# Altium PCB XNG_V1PCB.PcbDoc (part 2 of 2)
Units mil, origin at the board's own origin, x right, y up, seen from the top; angles counter-clockwise.
Board outline 5905.51 x 4527.56 mil, 2 copper layers (Top Layer, Bottom Layer); 230 components, 157 nets, 806 pads, 64 vias.
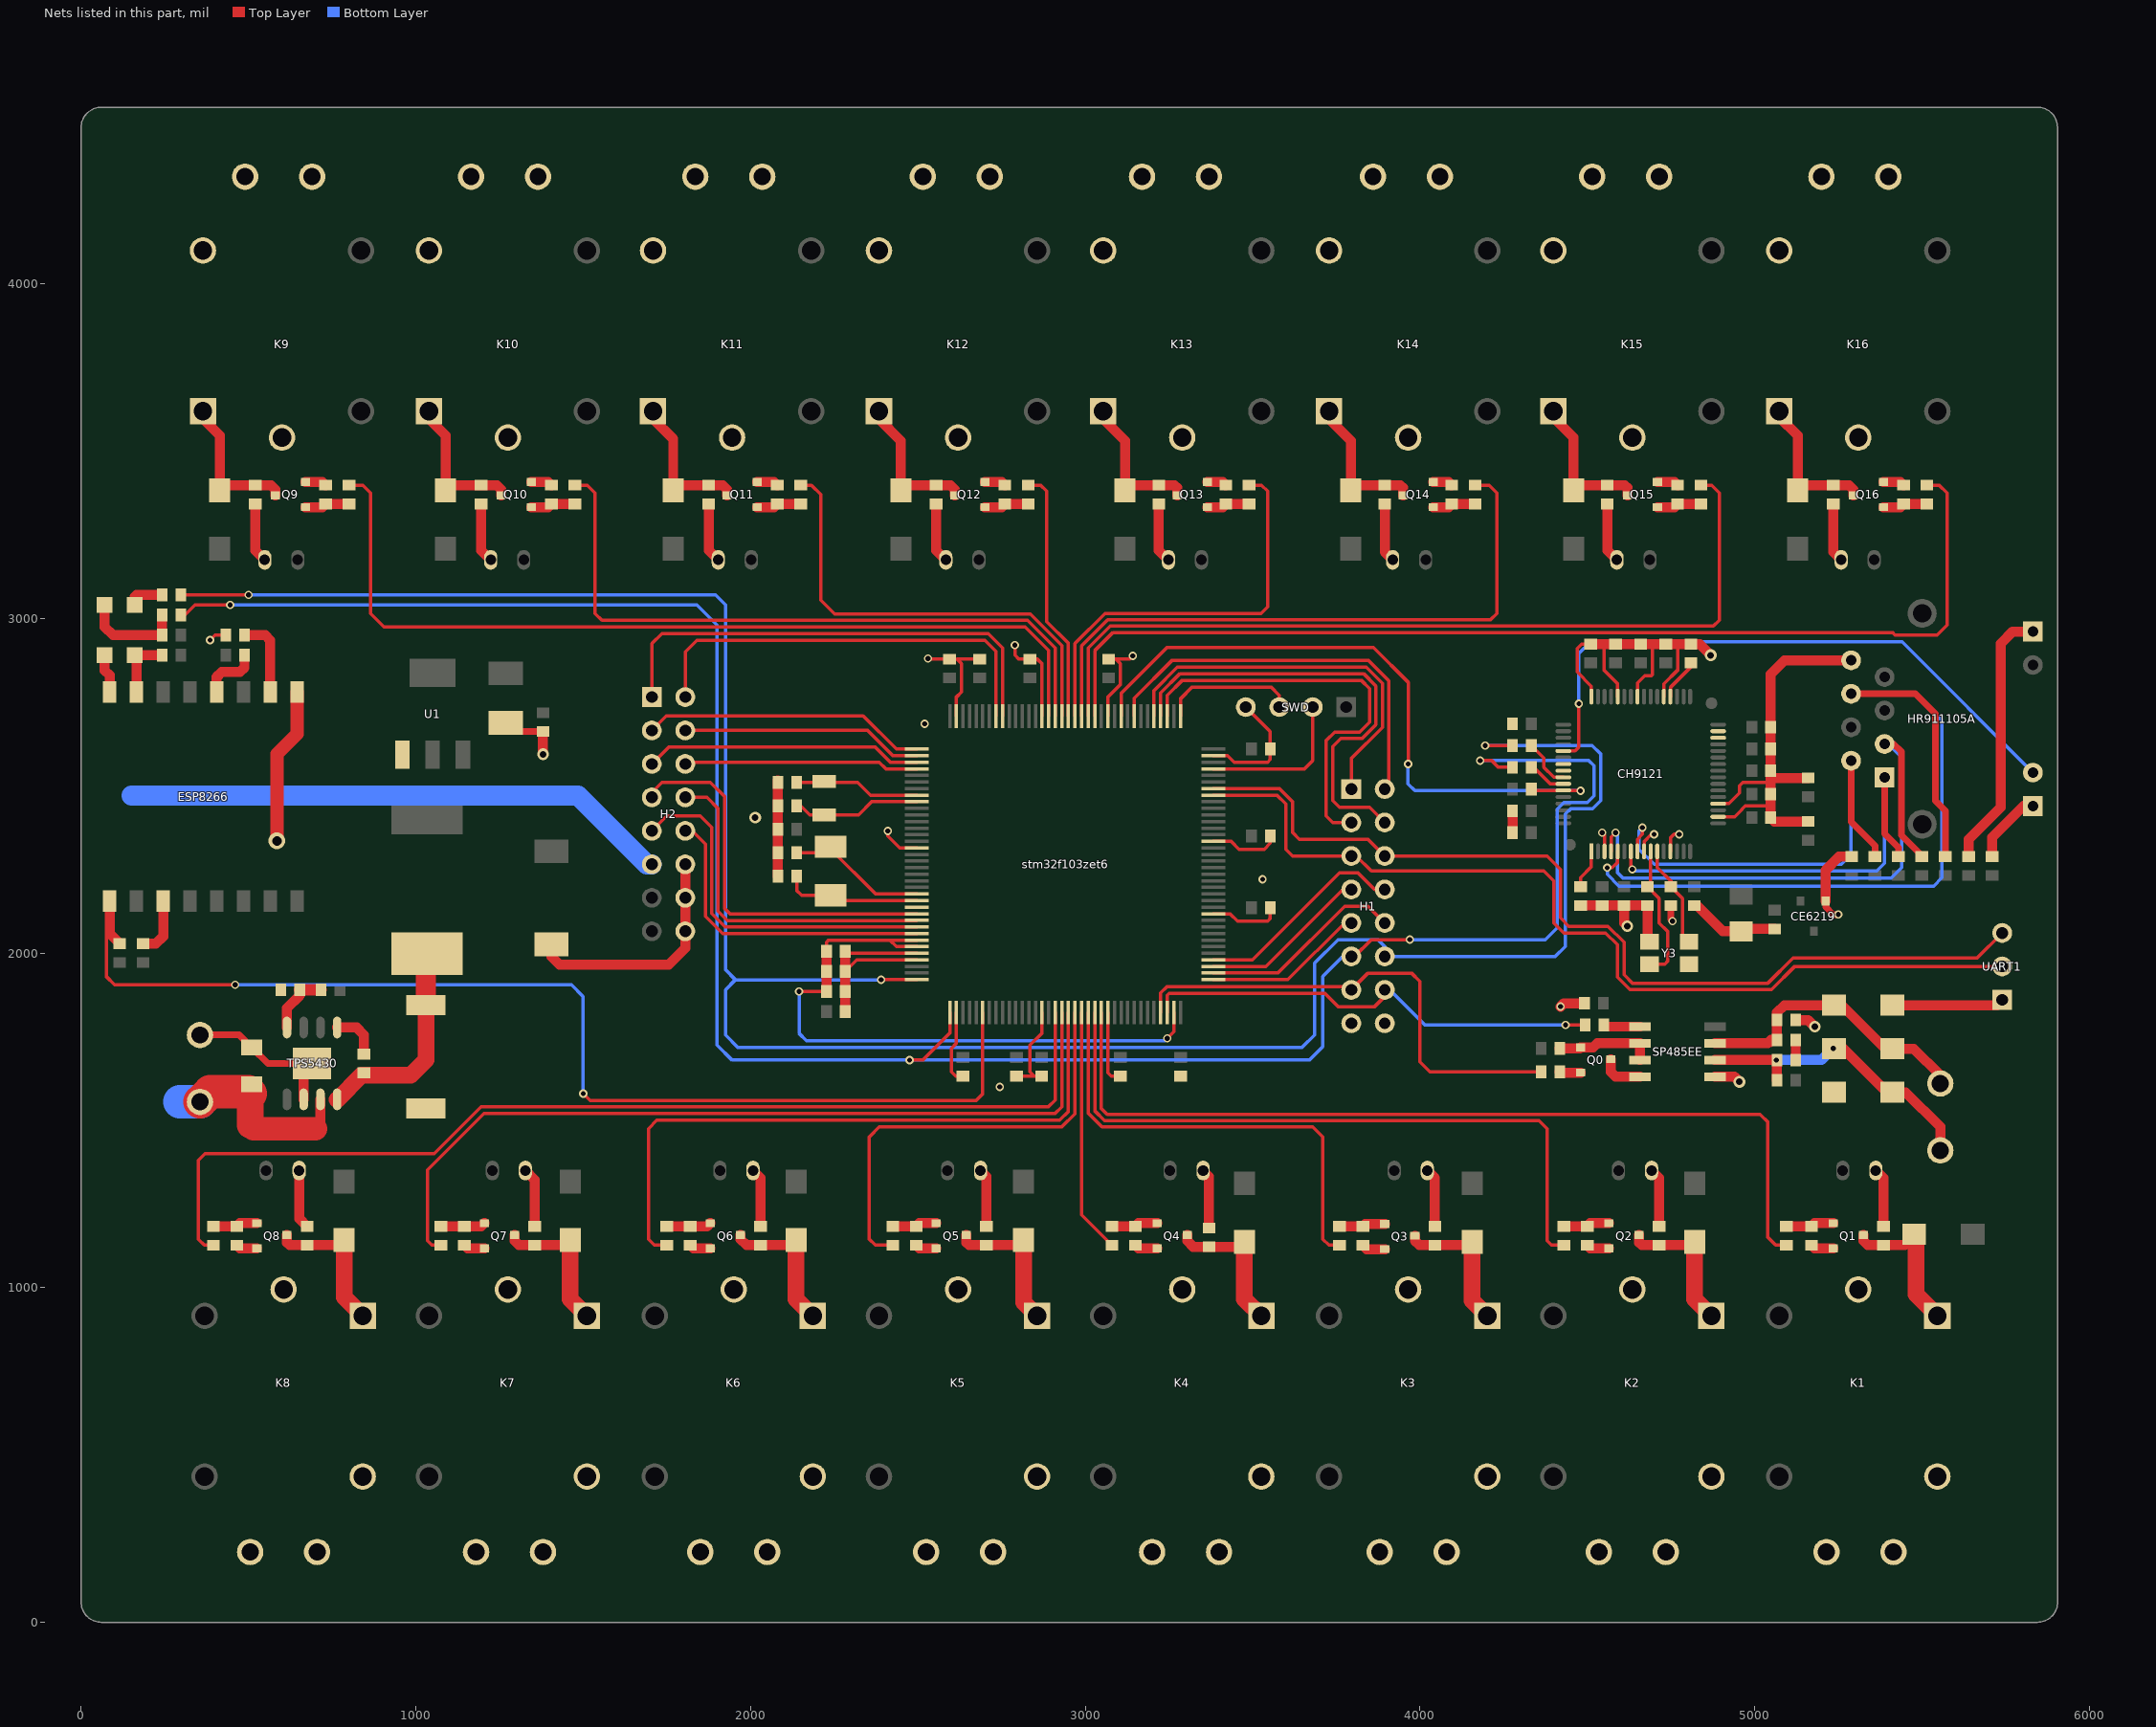
[diagram p2: the nets of this part, all layers, seen from the top]

## Via types
v1: diameter 25, hole 15, Top Layer to Bottom Layer, 45 vias
v2: diameter 35, hole 20, Top Layer to Bottom Layer, 10 vias
v3: diameter 120, hole 120, Top Layer to Bottom Layer, 6 vias
v4: diameter 50, hole 28, Top Layer to Bottom Layer, 1 vias
v5: diameter 35, hole 25, Top Layer to Bottom Layer, 1 vias
v6: diameter 40, hole 20, Top Layer to Bottom Layer, 1 vias

## Nets (pads, with @x,y where several pads share a name; then routed paths per layer and width w, separated by ;. In a path a pad name is that pad's centre, name@x,y a point inside that pad or via, vN(x,y) a via of type N, cw(c..) or ccw(c..) an arc to the next point about the centre after c; other vN are vias at no path point) (continued)
GND: C1.2 C3.2 C4.2 C5.1 C6.1 C13.2 C14.2 C15.1 C16.1 C17.1 C18.2 C19.2 C20.2 C21.2 C22.2 C23.2 C24.2 C25.2 C26.2 C27.2 C28.2 C29.2 C30.2 C31.2 C32.2 C33.2 C34.2 C35.2 C36.2 C37.2 C38.2 C39.2 C40.2 C41.2 C42.2 C43.2 C44.2 C45.2 C46.2 C47.2 C48.2 C49.2 C50.2 C51.1 C52.2 C53.2 CE6219.1 CH9121.3 CH9121.9 CH9121.13 CH9121.18 CH9121.20 CH9121.37 CH9121.41 CH9121.44 CH9121.48 D1.1 D2.2 D4.1 ESP8266.9 H1.8 H1.16 H2.14 H2.15 H2.16 HR911105A.8 P1.1 P2.1 P3.1 P4.1 P5.1 P6.1 P7.1 P8.1 P9.1 P10.1 P11.1 P12.1 P13.1 P14.1 P15.1 P16.1 Q0.3 Q1.2 Q2.2 Q3.2 Q4.2 Q5.2 Q6.2 Q7.2 Q8.2 Q9.2 Q10.2 Q11.2 Q12.2 Q13.2 Q14.2 Q15.2 Q16.2 R2.1 R6.1 R11.2 R12.2 R23.2 R31.2 R34.2 R37.2 R40.2 R43.2 R46.2 R49.2 R52.2 R55.2 R58.2 R61.2 R64.2 R67.2 R70.2 R73.2 R76.2 R79.2 SP485EE.4 SP485EE.5 stm32f103zet6.16 stm32f103zet6.30 stm32f103zet6.31 stm32f103zet6.38 stm32f103zet6.51 stm32f103zet6.61 stm32f103zet6.71 stm32f103zet6.83 stm32f103zet6.94 stm32f103zet6.107 stm32f103zet6.120 stm32f103zet6.130 stm32f103zet6.143 SWD.4 TPS5430.6 TPS5430.9 U1.1 UART1.1 Y3.3 Y3.4 电源.1 | length 11955
  Top Layer w10: v1(385,2935) 400,2950 R31.2@432,2950 ; v1(2145,1885) C18.2@2227,1885 ; C19.2@2227,2005 2227,2032 2233.62,2038.62 2416.38,2038.62 ; v1(2410,2365) 2410,2350 2445.79,2314.21 stm32f103zet6.16@2497.09,2314.21 ; stm32f103zet6.31@2497.09,2018.94 2436.06,2018.94 2416.38,2038.62 ; stm32f103zet6.30@2497.09,2038.62 2416.38,2038.62 ; v1(2530,2880) 2532,2878 C20.2@2595,2878 ; stm32f103zet6.38@2615.2,1822.09 2615.2,1730.2 2600,1715 2600,1645 2613,1632 C29.2@2635,1632 ; stm32f103zet6.143@2615.2,2707.91 2615.2,2765.2 2630,2780 2630,2865 2617,2878 R11.2@2685,2878 ; v1(2790,2920) 2790,2890 2802,2878 C21.2@2835,2878 2857,2878 2871.1,2863.9 stm32f103zet6.130@2871.1,2707.91 ; R12.2@2795,1632 2848,1632 ; C28.2@2870,1632 2848,1632 ; stm32f103zet6.51@2871.1,1822.09 2871.1,1761.1 2835,1725 2835,1645 2848,1632 ; stm32f103zet6.61@3067.95,1822.09 3067.95,1642.05 3078,1632 C27.2@3105,1632 ; stm32f103zet6.120@3067.95,2707.91 3067.95,2765.15 3105,2802.2 3105,2865 3092,2878 ; C22.2@3070,2878 3092,2878 ; v1(3142,2888) 3132,2878 3092,2878 ; v1(3245,1745) 3264.8,1764.8 stm32f103zet6.71@3264.8,1822.09 ; stm32f103zet6.83@3382.91,2117.36 3432.64,2117.36 3455,2095 3545,2095 3553,2103 C25.2@3553,2135 ; stm32f103zet6.94@3382.91,2333.9 3436.1,2333.9 3460,2310 3535,2310 3553,2328 C24.2@3553,2350 ; stm32f103zet6.107@3382.91,2589.8 3425.2,2589.8 3445,2570 3545,2570 3553,2578 C23.2@3553,2610 3553,2662 SWD.4@3480,2735 ; C34.2@4510,2923 4483,2923 4470,2910 4470,2840 4512.36,2797.64 CH9121.48@4512.36,2766.38 ; v1(4545,2360) 4551.73,2353.27 CH9121.3@4551.73,2303.62 ; 4550,2923 4550,2845 4591.1,2803.9 CH9121.44@4591.1,2766.38 ; CH9121.41@4650.16,2766.38 4650.16,2807.03 4672.13,2829 4692.13,2829 4695,2831.87 4695,2920 ; CH9121.9@4669.84,2303.62 4669.84,2332.97 4691.87,2355 v1(4700,2355) ; Y3.4@4680,2039.41 Y3.4@4685.94,2033.46 ; CH9121.37@4728.9,2766.38 4728.9,2803.9 4770,2845 4770,2923 ; CH9121.13@4748.58,2303.62 4748.58,2343.58 4760,2355 v1(4775,2355) ; v1@4750,2100 v1(4755,2095) ; CH9121.18@4891.38,2407.05 4940.18,2407.05 4962,2428.87 4962,2429.8 4972.2,2440 5048,2440 ; CH9121.20@4891.38,2446.42 4923.29,2446.42 4955,2478.13 4955,2500 4965,2510 5048,2510
  Top Layer w20: 电源.1@355,1755 472.5,1755 C1.2@510,1717.5 557.5,1670 TPS5430.9@690,1670 TPS5430.9@665,1645 ; C4.2@1269,2687.89 1294.89,2662 C5.1@1380,2662 ; v1@4750,2100 C53.2@4750,2142 ; CE6219.1@5212.5,2155 5212.5,2137.5 5235,2115 v1(5250,2115)
  Top Layer w30: R55.2@465,1127 474.5,1117.5 Q8.2@525,1117.5 ; TPS5430.6@665,1562.64 TPS5430.9@665,1645 ; Q9.2@670,3407.5 720.5,3407.5 R58.2@730,3398 ; R52.2@1145,1127 1154.5,1117.5 Q7.2@1205,1117.5 ; Q10.2@1345,3407.5 1395.5,3407.5 R61.2@1405,3398 ; v2(1380,2594) C5.1@1380,2662 ; C3.2@1405,2025.89 1405,1990 1430,1965 1755,1965 1805,2015 H2.16@1805,2065 H2.15@1805,2165 H2.14@1805,2265 ; R49.2@1820,1127 1829.5,1117.5 Q6.2@1880,1117.5 ; Q11.2@2020,3407.5 2070.5,3407.5 R64.2@2080,3398 ; C16.1@2082,2230 C15.1@2082,2300 C30.2@2082,2370 C14.2@2082,2440 C13.2@2082,2510 C13.2@2082,2515 ; C18.2@2227,1885 C17.1@2227,1945 C19.2@2227,2005 ; R46.2@2495,1127 2504.5,1117.5 Q5.2@2555,1117.5 ; Q12.2@2700,3407.5 2750.5,3407.5 R67.2@2760,3398 ; R43.2@3150,1127 3159.5,1117.5 Q4.2@3215,1117.5 ; Q13.2@3365,3407.5 3410.5,3407.5 R70.2@3420,3398 ; R40.2@3830,1127 3842,1115 Q3.2@3895,1115 ; Q14.2@4040,3407.5 4085.5,3407.5 R73.2@4095,3398 ; C44.2@4277,2360 C37.2@4277,2425 ; v1(4420,1840) 4430,1850 C6.1@4492,1850 ; R23.2@4480,2142 C38.2@4545,2142 C43.2@4610,2142 ; R37.2@4500,1127 4509.5,1117.5 Q2.2@4565,1117.5 ; C34.2@4510,2923 4550,2923 C46.2@4585,2923 C35.2@4660,2923 C36.2@4735,2923 4770,2923 C51.1@4810,2923 4836,2923 v2(4869,2890) ; Q0.3@4570,1682.5 4570,1645 4585,1630 SP485EE.4@4657.8,1630 ; v2(4620,2080) 4610,2090 C43.2@4610,2142 ; Y3.4@4680,2039.41 C52.2@4680,2142 C43.2@4610,2142 ; Q15.2@4710,3407.5 4760.5,3407.5 R76.2@4770,3398 ; C39.2@4820,2142 4828,2142 4905,2065 C32.2@4960,2065 4967,2072 C33.2@5060,2072 ; SP485EE.5@4882.2,1630 4940,1630 v2(4955,1615) ; R6.1@5123,1800 5160,1800 v2(5180,1780) ; C50.2@5160,2393 5060,2393 C40.2@5048,2405 5048,2440 C47.2@5048,2475 5048,2510 C41.2@5048,2535 ; C49.2@5160,2523 5060,2523 C41.2@5048,2535 ; R34.2@5170,1127 5179.5,1117.5 Q1.2@5235,1117.5 ; CE6219.1@5212.5,2155 5212.5,2247.5 5253,2288 C31.2@5290,2288 ; HR911105A.8@5288.5,2874.8 5089.8,2874.8 5048,2833 C42.2@5048,2675 C48.2@5048,2610 C41.2@5048,2545 C41.2@5048,2535 ; Q16.2@5385,3407.5 5435.5,3407.5 R79.2@5445,3398 ; D2.2@5412,1844 5724,1844 UART1.1@5740,1860
  Top Layer w40: v4(585,2335) 585,2595 645,2655 ESP8266.9@645,2780
  Bottom Layer w10: v1@2145,1890 v1(2145,1885) 2145,1760 2167.5,1737.5 3237.5,1737.5 v1(3245,1745)
  other v1: 2745,1600 3530,2220 2520,2685
  other v2: 2014,2405
I2C1_SCL: H2.1 stm32f103zet6.136 | length 1442.3
  Top Layer w10: H2.1@1705,2765 1705,2925 1735,2955 2710,2955 2752.99,2912.01 stm32f103zet6.136@2752.99,2707.91
I2C1_SDA: H2.9 stm32f103zet6.137 | length 1285.4
  Top Layer w10: H2.9@1805,2765 1805,2900 1840,2935 2700,2935 2733.31,2901.69 stm32f103zet6.137@2733.31,2707.91
IO0: ESP8266.12 R30.1 | length 176.6
  Top Layer w30: ESP8266.12@405,2780 405,2825 420,2840 475,2840 488,2853 R30.1@488,2890
IO15: ESP8266.10 R31.1 | length 238.2
  Top Layer w30: R31.1@488,2950 550,2950 565,2935 ESP8266.10@565,2780
K1: R33.2 stm32f103zet6.60 | length 2704.6
  Top Layer w10: stm32f103zet6.60@3048.27,1822.09 3048.27,1535.47 3065.74,1518 5017,1518 5040,1495 5040,1150 5063,1127 R33.2@5095,1127
K2: R36.2 stm32f103zet6.59 | length 2057.7
  Top Layer w10: stm32f103zet6.59@3028.58,1822.09 3028.58,1528.29 3057.87,1499 4356,1499 4380,1475 4380,1140 4393,1127 R36.2@4430,1127
K3: R39.2 stm32f103zet6.58 | length 1394
  Top Layer w10: stm32f103zet6.58@3008.9,1822.09 3008.9,1521.1 3050,1480 3680,1480 3710,1450 3710,1145 3728,1127 R39.2@3760,1127
K4: R42.2 stm32f103zet6.57 | length 732.8
  Top Layer w10: stm32f103zet6.57@2989.21,1822.09 2989.21,1217.57 3079.79,1127 R42.2@3080,1127
K5: R45.2 stm32f103zet6.56 | length 1328.3
  Top Layer w10: R45.2@2425,1127 2373,1127 2355,1145 2355,1450 2385,1480 2930,1480 2969.53,1519.53 stm32f103zet6.56@2969.53,1822.09
K6: R48.2 stm32f103zet6.55 | length 1964.1
  Top Layer w10: R48.2@1750,1127 1713,1127 1695,1145 1695,1475 1720,1500 2923.13,1500 2949.84,1526.71 stm32f103zet6.55@2949.84,1822.09
K7: R51.2 stm32f103zet6.54 | length 2512.2
  Top Layer w10: R51.2@1075,1127 1048,1127 1035,1140 1035,1351.72 1203.28,1520 2910,1520 2930.16,1540.16 stm32f103zet6.54@2930.16,1822.09
K8: R54.2 stm32f103zet6.53 | length 3184.3
  Top Layer w10: R54.2@395,1127 368,1127 350,1145 350,1380 370,1400 1055,1400 1195,1540 2890,1540 2910.47,1560.47 stm32f103zet6.53@2910.47,1822.09
K9: R57.2 stm32f103zet6.129 | length 2702.5
  Top Layer w10: R57.2@800,3398 842,3398 865,3375 865,3015 905,2975 2820,2975 2890.79,2904.21 stm32f103zet6.129@2890.79,2707.91
K10: R60.2 stm32f103zet6.128 | length 2051.4
  Top Layer w10: R60.2@1475,3398 1512,3398 1535,3375 1535,3015 1556,2994 2827.87,2994 2910.47,2911.4 stm32f103zet6.128@2910.47,2707.91
K11: R63.2 stm32f103zet6.127 | length 1373.9
  Top Layer w10: R63.2@2150,3398 2182,3398 2210,3370 2210,3055 2252,3013 2835.74,3013 2930.16,2918.58 stm32f103zet6.127@2930.16,2707.91
K12: R66.2 stm32f103zet6.126 | length 761.4
  Top Layer w10: R66.2@2830,3398 2867,3398 2885,3380 2885,2990.61 2949.84,2925.77 stm32f103zet6.126@2949.84,2707.91
K13: R69.2 stm32f103zet6.125 | length 1245.7
  Top Layer w10: stm32f103zet6.125@2969.53,2707.91 2969.53,2925.14 3059.39,3015 3525,3015 3545,3035 3545,3380 3527,3398 R69.2@3490,3398
K14: R72.2 stm32f103zet6.124 | length 1925.6
  Top Layer w10: stm32f103zet6.124@2989.21,2707.91 2989.21,2917.95 3067.26,2996 4211,2996 4230,3015 4230,3375 4207,3398 R72.2@4165,3398
K15: R75.2 stm32f103zet6.123 | length 2568.4
  Top Layer w10: stm32f103zet6.123@3008.9,2707.91 3009.58,2708.6 3009.58,2911.45 3075.13,2977 4877,2977 4895,2995 4895,3375 4872,3398 R75.2@4840,3398
K16: R78.2 stm32f103zet6.122 | length 3244.9
  Top Layer w10: stm32f103zet6.122@3028.58,2707.91 3028.58,2903.58 3083,2958 5412,2958 5420,2950 5545,2950 5575,2980 5575,3375 5552,3398 R78.2@5515,3398
LINK: CH9121.53 HR911105A.10 | length 1863.9
  Top Layer w10: CH9121.53@4428.62,2603.9 4463.9,2603.9 4475,2615 v1(4475,2745)
  Bottom Layer w10: v1(4475,2745) 4475,2895 4510,2930 5440.67,2930 HR911105A.10@5831.5,2539.17
MCU_RX1: H1.11 stm32f103zet6.102 UART1.3 | length 2855.5
  Top Layer w10: stm32f103zet6.102@3382.91,2491.38 3580.49,2491.38 3619,2452.87 3619,2361 3640,2340 3845,2340 H1.11@3895,2290 4380,2290 4420,2250 4420,2105 4445,2080 4561.87,2080 4610,2031.87 4610,1935 4635,1910 5040,1910 5115,1985 5665,1985 UART1.3@5740,2060
MCU_RX2: H1.6 R21.1 R28.2 stm32f103zet6.37 | length 6948.1
  Top Layer w10: R28.2@298,3010 310,3010 340,3040 v1(445,3040) ; v1(2475,1680) 2515,1680 2595.51,1760.51 stm32f103zet6.37@2595.51,1822.09 ; H1.6@3795,1990 3805,1990 3855,2040 v1(3970,2040) ; v1(4180,2575) 4215,2575 4235,2555 R21.1@4277,2555
  Bottom Layer w10: v1(445,3040) 1840,3040 1900,2980 1900,1725 1945,1680 v1(2475,1680) 3670,1680 3710,1720 3710,1930 3770,1990 H1.6@3795,1990 ; v1(3970,2040) 4375,2040 4410,2075 4410,2430 4430,2450 4500,2450 4520,2470 4520,2560 4505,2575 v1(4180,2575)
MCU_RX3: H1.15 R5.1 stm32f103zet6.70 | length 1395.3
  Top Layer w10: stm32f103zet6.70@3245.12,1822.09 3245.12,1873.25 3251.87,1880 3715,1880 3755,1840 3865,1840 3895,1870 H1.15@3895,1890 ; v1(4435,1785) R5.1@4494,1785
  Bottom Layer w10: H1.15@3895,1890 3910,1890 4015,1785 v1(4435,1785)
MCU_RX4: H1.10 stm32f103zet6.112 | length 1367.9
  Top Layer w10: stm32f103zet6.112@3225.43,2707.91 3225.43,2777.3 3283.13,2835 3831.87,2835 3869,2797.87 3869,2682.13 3827.87,2641 3764,2641 3740,2617 3740,2455 3760,2435 3850,2435 H1.10@3895,2390
MCU_RX5: H1.9 stm32f103zet6.116 | length 1215
  Top Layer w10: stm32f103zet6.116@3146.69,2707.91 3146.69,2761.69 3260,2875 3845.61,2875 3907,2813.61 3907,2502 H1.9@3895,2490
MCU_TX1: H1.3 stm32f103zet6.101 UART1.2 | length 2835.2
  Top Layer w10: stm32f103zet6.101@3382.91,2471.69 3573.31,2471.69 3600,2445 3600,2310 3620,2290 H1.3@3795,2290 3810,2290 3855,2245 4370,2245 4400,2215 4400,2090 4430,2060 4555,2060 4590,2025 4590,1928.13 4627.13,1891 5051,1891 5120,1960 UART1.2@5740,1960
MCU_TX2: H1.14 R20.1 R29.2 stm32f103zet6.36 | length 7420.4
  Top Layer w10: R29.2@298,3070 v1(500,3070) ; v1(2390,1920) 2390.51,1920.51 stm32f103zet6.36@2497.09,1920.51 ; v1(4195,2620) R20.1@4277,2620
  Bottom Layer w10: v1(500,3070) 1895,3070 1925,3040 1925,1950 1955,1920 ; v1(2390,1920) 1955,1920 ; v1(4195,2620) 4515,2620 4540,2595 4540,2455 4516,2431 4451,2431 4435,2415 4435,2020 4405,1990 H1.14@3895,1990 3895,2020 3875,2040 3755,2040 3685,1970 3685,1755 3648.5,1718.5 1961.5,1718.5 1925,1755 1925,1890 1955,1920
MCU_TX3: H1.7 R3.1 stm32f103zet6.69 | length 1490.7
  Top Layer w10: stm32f103zet6.69@3225.43,1822.09 3225.43,1880.43 3245,1900 3785,1900 H1.7@3795,1890 3845,1940 3975,1940 4000,1915 4000,1675 4030,1645 R3.1@4362,1645
MCU_TX4: H1.2 stm32f103zet6.111 | length 1257.1
  Top Layer w10: stm32f103zet6.111@3245.12,2707.91 3245.12,2770.12 3290,2815 3825,2815 3850,2790 3850,2690 3820,2660 3745,2660 3720,2635 3720,2410 3740,2390 H1.2@3795,2390
MCU_TX5: H1.1 stm32f103zet6.113 | length 1161.9
  Top Layer w10: stm32f103zet6.113@3205.75,2707.91 3205.75,2784.49 3275.26,2854 3839.74,2854 3888,2805.74 3888,2674.26 3795,2581.26 H1.1@3795,2490
NetC2_1: C2.1 TPS5430.1 | length 146.3
  Top Layer w30: TPS5430.1@765,1777.36 822.64,1777.36 845,1755 C2.1@845,1698
NetC2_2: C2.2 D1.2 L1.1 TPS5430.8 | length 631.6
  Top Layer w50: TPS5430.8@765,1562.64 765.74,1562.64 838.1,1635 985,1635 1030,1680 D1.2@1030,1844.5
  Top Layer w60: D1.2@1030,1844.5 L1.1@1030,1998
NetC13_1: C13.1 stm32f103zet6.8 Y2.1 | length 375
  Top Layer w10: C13.1@2138,2510 2320,2510 2358.31,2471.69 stm32f103zet6.8@2497.09,2471.69
NetC14_1: C14.1 stm32f103zet6.9 Y2.2 | length 386.8
  Top Layer w10: C14.1@2138,2440 2150,2440 2177.5,2412.5 Y2.2@2220,2412.5 2322.5,2412.5 2362.01,2452.01 stm32f103zet6.9@2497.09,2452.01
NetC15_2: C15.2 stm32f103zet6.23 Y1.1 | length 429.2
  Top Layer w10: C15.2@2138,2300 2222.5,2300 Y1.1@2240,2317.5 2240,2310 2373.58,2176.42 stm32f103zet6.23@2497.09,2176.42
NetC16_2: C16.2 stm32f103zet6.24 Y1.2 | length 414.6
  Top Layer w10: C16.2@2138,2230 2138,2187 2152.5,2172.5 Y1.2@2240,2172.5 2255.77,2156.73 stm32f103zet6.24@2497.09,2156.73
NetC17_2: C17.2 C18.1 C19.1 R13.1 stm32f103zet6.32 stm32f103zet6.33 | length 624.9
  Top Layer w10: C17.2@2283,1945 2317.57,1979.57 stm32f103zet6.33@2497.09,1979.57 ; C19.1@2283,2005 2288.75,1999.25 stm32f103zet6.32@2497.09,1999.25
  Top Layer w30: R13.1@2283,1825 C18.1@2283,1885 C17.2@2283,1945 C19.1@2283,2005
NetC52_1: C52.1 CH9121.10 Y3.1 | length 412.9
  Top Layer w10: C52.1@4680,2198 4715,2163 4715,2090 4740,2065 4740,1975 4731.54,1966.54 Y3.1@4685.94,1966.54 ; C52.1@4685,2198 4689.53,2202.53 CH9121.10@4689.53,2303.62
NetC53_1: C53.1 CH9121.11 Y3.2 | length 309.4
  Top Layer w10: CH9121.11@4709.21,2303.62 4709.21,2255.79 4750,2215 C53.1@4750,2198 4785,2163 4785,2052.52 Y3.2@4804.06,2033.46
NetCH9121_1: CH9121.1 R23.1 | length 123.2
  Top Layer w10: R23.1@4490,2198 4480,2208 4480,2225 4512.36,2257.36 CH9121.1@4512.36,2303.62
NetCH9121_57: CH9121.57 R20.2 | length 151.3
  Top Layer w10: R20.2@4333,2620 4370,2583 4370,2555 4399.84,2525.16 CH9121.57@4428.62,2525.16
NetCH9121_58: CH9121.58 R21.2 | length 116.1
  Top Layer w10: R21.2@4333,2555 4340,2555 4389.53,2505.47 CH9121.58@4428.62,2505.47
NetD2_1: D2.1 D3.2 P0.2 R6.2 R8.2 SP485EE.7 | length 879.6
  Top Layer w30: SP485EE.7@4882.2,1730 5040,1730 5050,1740 R8.2@5067,1740 R6.2@5067,1800 5067,1822 5089,1844 D2.1@5237,1844 5261,1844 5391,1714 D3.2@5412,1714 5476,1714 5555,1635 P0.2@5555,1610
NetD3_1: D3.1 D4.2 P0.1 R7.1 R9.1 SP485EE.6 | length 914.2
  Top Layer w30: SP485EE.6@4882.2,1680 v1(5065,1680) R9.1@5067,1680 R7.1@5067,1620 ; D3.1@5237,1714 5266,1714 5396,1584 D4.2@5412,1584 5451,1584 5555,1480 P0.1@5555,1410
  Bottom Layer w30: v1(5065,1680) 5200,1680 v1(5235,1715)
NetD5_1: D5.1 R27.1 R28.1 | length 307.4
  Top Layer w30: D5.1@70,3040 70,2975 95,2950 R27.1@242,2950 R28.1@242,3010
NetD5_2: D5.2 ESP8266.16 | length 116.2
  Top Layer w30: D5.2@70,2890 70,2845 85,2830 ESP8266.16@85,2780
NetD6_1: D6.1 ESP8266.15 R26.1 | length 194.1
  Top Layer w30: ESP8266.15@165,2780 165,2885 D6.1@160,2890 R26.1@242,2890
NetD6_2: D6.2 R29.1 | length 109.1
  Top Layer w30: D6.2@160,3040 160,3065 165,3070 R29.1@242,3070
NetD7_1: D7.1 K1.1 Q1.3 R32.1 | length 448.8
  Top Layer w30: Q1.3@5325,1157.5 5325,1140 5338,1127 R32.1@5385,1127 5448,1127 5470,1149 D7.1@5482,1149
  Top Layer w50: D7.1@5482,1149 5482,980.01 K1.1@5546.22,915.79
NetD8_1: D8.1 K2.1 Q2.3 R35.1 | length 438
  Top Layer w30: Q2.3@4655,1157.5 4655,1135 4663,1127 R35.1@4715,1127 4811,1127 D8.1@4821,1137
  Top Layer w50: D8.1@4821,1137 4821,966.01 K2.1@4871.22,915.79
NetD9_1: D9.1 K3.1 Q3.3 R38.1 | length 435.5
  Top Layer w30: Q3.3@3985,1155 3985,1140 3998,1127 R38.1@4045,1127 4146,1127 D9.1@4156,1137
  Top Layer w50: D9.1@4156,1137 4156,961.01 K3.1@4201.22,915.79
NetD10_1: D10.1 K4.1 Q4.3 R41.1 | length 444.2
  Top Layer w30: Q4.3@3305,1157.5 3305,1140 3323,1122 R41.1@3370,1122 3461,1122 D10.1@3476,1137
  Top Layer w50: D10.1@3476,1137 3476,966.01 K4.1@3526.22,915.79
NetD11_1: D11.1 K5.1 Q5.3 R44.1 | length 445.9
  Top Layer w30: Q5.3@2645,1157.5 2645,1135 2653,1127 R44.1@2705,1127 2801,1127 D11.1@2816,1142
  Top Layer w50: D11.1@2816,1142 2816,956.01 K5.1@2856.22,915.79
NetD12_1: D12.1 K6.1 Q6.3 R47.1 | length 439.2
  Top Layer w30: Q6.3@1970,1157.5 1970,1145 1988,1127 R47.1@2030,1127 2121,1127 D12.1@2136,1142
  Top Layer w50: D12.1@2136,1142 2136,966.01 K6.1@2186.22,915.79
NetD13_1: D13.1 K7.1 Q7.3 R50.1 | length 442.1
  Top Layer w30: Q7.3@1295,1157.5 1295,1140 1308,1127 R50.1@1355,1127 1446,1127 D13.1@1461,1142
  Top Layer w50: D13.1@1461,1142 1461,966.01 K7.1@1511.22,915.79
NetD14_1: D14.1 K8.1 Q8.3 R53.1 | length 452.1
  Top Layer w30: Q8.3@615,1157.5 615,1135 623,1127 R53.1@675,1127 771,1127 D14.1@786,1142
  Top Layer w50: D14.1@786,1142 786,971.01 K8.1@841.22,915.79
NetD15_1: D15.1 K9.1 Q9.3 R56.1 | length 452.1
  Top Layer w30: K9.1@363.78,3619.21 363.78,3596.22 414,3546 D15.1@414,3383 429,3398 R56.1@520,3398 567,3398 580,3385 Q9.3@580,3367.5
NetD16_1: D16.1 K10.1 Q10.3 R59.1 | length 452.1
  Top Layer w30: K10.1@1038.78,3619.21 1038.78,3596.22 1089,3546 D16.1@1089,3383 1104,3398 R59.1@1195,3398 1242,3398 1255,3385 Q10.3@1255,3367.5
NetD17_1: D17.1 K11.1 Q11.3 R62.1 | length 451.3
  Top Layer w30: K11.1@1708.78,3619.21 1708.78,3596.22 1769,3536 D17.1@1769,3383 1784,3398 R62.1@1875,3398 1917,3398 1930,3385 Q11.3@1930,3367.5
NetD18_1: D18.1 K12.1 Q12.3 R65.1 | length 453.3
  Top Layer w30: K12.1@2383.78,3619.21 2383.78,3596.22 2449,3531 D18.1@2449,3383 2464,3398 R65.1@2555,3398 2597,3398 2610,3385 Q12.3@2610,3367.5
NetD19_1: D19.1 K13.1 Q13.3 R68.1 | length 451.3
  Top Layer w30: K13.1@3053.78,3619.21 3053.78,3596.22 3119,3531 D19.1@3119,3383 3134,3398 R68.1@3220,3398 3267,3398 3275,3390 Q13.3@3275,3367.5
NetD20_1: D20.1 K14.1 Q14.3 R71.1 | length 451.3
  Top Layer w30: K14.1@3728.78,3619.21 3728.78,3596.22 3794,3531 D20.1@3794,3383 3809,3398 R71.1@3895,3398 3942,3398 3950,3390 Q14.3@3950,3367.5
NetD21_1: D21.1 K15.1 Q15.3 R74.1 | length 454.2
  Top Layer w30: K15.1@4398.78,3619.21 4398.78,3601.22 4459,3541 D21.1@4459,3383 4474,3398 R74.1@4560,3398 4612,3398 4620,3390 Q15.3@4620,3367.5
NetD22_1: D22.1 K16.1 Q16.3 R77.1 | length 454.2
  Top Layer w30: K16.1@5073.78,3619.21 5073.78,3601.22 5129,3546 D22.1@5129,3383 5144,3398 R77.1@5235,3398 5282,3398 5295,3385 Q16.3@5295,3367.5
NetD23_2: D23.2 R32.2 | length 176.4
  Top Layer w30: D23.2@5362.37,1350 5385,1327.37 R32.2@5385,1183
NetD24_2: D24.2 R35.2 | length 176.4
  Top Layer w30: D24.2@4692.37,1350 4715,1327.37 R35.2@4715,1183
NetD25_2: D25.2 R38.2 | length 176.4
  Top Layer w30: D25.2@4022.37,1350 4045,1327.37 R38.2@4045,1183
NetD26_2: D26.2 R41.2 | length 179.3
  Top Layer w30: D26.2@3352.37,1350 3370,1332.37 R41.2@3370,1178
NetD27_2: D27.2 R44.2 | length 174.3
  Top Layer w30: D27.2@2687.37,1350 2705,1332.37 R44.2@2705,1183
NetD28_2: D28.2 R47.2 | length 176.4
  Top Layer w30: D28.2@2007.37,1350 2030,1327.37 R47.2@2030,1183
NetD29_2: D29.2 R50.2 | length 178.4
  Top Layer w30: D29.2@1327.37,1350 1355,1322.37 R50.2@1355,1183
NetD30_2: D30.2 R53.2 | length 176.4
  Top Layer w30: D30.2@652.37,1350 652.37,1205.63 R53.2@675,1183
NetD31_2: D31.2 R56.2 | length 178.9
  Top Layer w30: R56.2@520,3342 520,3203.63 D31.2@548.63,3175
NetD32_2: D32.2 R59.2 | length 178.9
  Top Layer w30: R59.2@1195,3342 1195,3203.63 D32.2@1223.63,3175
NetD33_2: D33.2 R62.2 | length 178.9
  Top Layer w30: R62.2@1875,3342 1875,3203.63 D33.2@1903.63,3175
NetD34_2: D34.2 R65.2 | length 178.9
  Top Layer w30: R65.2@2555,3342 2555,3203.63 D34.2@2583.63,3175
NetD35_2: D35.2 R68.2 | length 178.9
  Top Layer w30: R68.2@3220,3342 3220,3203.63 D35.2@3248.63,3175
NetD36_2: D36.2 R71.2 | length 176.8
  Top Layer w30: R71.2@3895,3342 3895,3198.63 D36.2@3918.63,3175
NetD37_2: D37.2 R74.2 | length 178.9
  Top Layer w30: R74.2@4560,3342 4560,3203.63 D37.2@4588.63,3175
NetD38_2: D38.2 R77.2 | length 176.8
  Top Layer w30: R77.2@5235,3342 5235,3198.63 D38.2@5258.63,3175
NetESP8266_3: ESP8266.3 R25.2 | length 174.1
  Top Layer w30: R25.2@185,2028 223,2028 245,2050 ESP8266.3@245,2155
NetHR911105A_9: HR911105A.9 R18.2 | length 217.5
  Top Layer w30: R18.2@5710,2288 5710,2345 5804.17,2439.17 HR911105A.9@5831.5,2439.17
NetHR911105A_12: HR911105A.12 R19.2 | length 787.7
  Top Layer w30: R19.2@5640,2288 5640,2340 5735,2435 5735,2925 5770.83,2960.83 HR911105A.12@5831.5,2960.83
NetK1_5: K1.5 P1.2
NetK2_5: K2.5 P2.2
NetK3_5: K3.5 P3.2
NetK4_5: K4.5 P4.2
NetK5_5: K5.5 P5.2
NetK6_5: K6.5 P6.2
NetK7_5: K7.5 P7.2
NetK8_5: K8.5 P8.2
NetK9_5: K9.5 P9.2
NetK10_5: K10.5 P10.2
NetK11_5: K11.5 P11.2
NetK12_5: K12.5 P12.2
NetK13_5: K13.5 P13.2
NetK14_5: K14.5 P14.2
NetK15_5: K15.5 P15.2
NetK16_5: K16.5 P16.2
NetQ0_1: Q0.1 R4.2 SP485EE.2 SP485EE.3 | length 296
  Top Layer w30: R4.2@4418,1715 4477.5,1715 Q0.1@4480,1717.5 4517.5,1717.5 4530,1730 SP485EE.2@4657.8,1730 SP485EE.3@4657.8,1680
NetQ0_2: Q0.2 R3.2 | length 63
  Top Layer w30: R3.2@4418,1645 4420.5,1642.5 Q0.2@4480,1642.5
NetQ1_1: Q1.1 R33.1 R34.1 | length 143.9
  Top Layer w30: R33.1@5095,1183 R34.1@5170,1183 5179.5,1192.5 Q1.1@5235,1192.5
NetQ2_1: Q2.1 R36.1 R37.1 | length 138.9
  Top Layer w30: R36.1@4430,1183 R37.1@4500,1183 4509.5,1192.5 Q2.1@4565,1192.5
NetQ3_1: Q3.1 R39.1 R40.1 | length 137.9
  Top Layer w30: R39.1@3760,1183 R40.1@3830,1183 3837,1190 Q3.1@3895,1190
NetQ4_1: Q4.1 R42.1 R43.1 | length 138.9
  Top Layer w30: R42.1@3080,1183 R43.1@3150,1183 3159.5,1192.5 Q4.1@3215,1192.5
NetQ5_1: Q5.1 R45.1 R46.1 | length 133.9
  Top Layer w30: R45.1@2425,1183 R46.1@2495,1183 2504.5,1192.5 Q5.1@2555,1192.5
NetQ6_1: Q6.1 R48.1 R49.1 | length 133.9
  Top Layer w30: R48.1@1750,1183 R49.1@1820,1183 1870.5,1183 Q6.1@1880,1192.5
NetQ7_1: Q7.1 R51.1 R52.1 | length 133.9
  Top Layer w30: R51.1@1075,1183 R52.1@1145,1183 1195.5,1183 Q7.1@1205,1192.5
NetQ8_1: Q8.1 R54.1 R55.1 | length 133.9
  Top Layer w10: R55.1@465,1183 R55.1@474.5,1192.5
  Top Layer w30: R54.1@395,1183 R55.1@465,1183 ; R55.1@474.5,1192.5 Q8.1@525,1192.5
NetQ9_1: Q9.1 R57.1 R58.1 | length 133.9
  Top Layer w30: Q9.1@670,3332.5 720.5,3332.5 R58.1@730,3342 R57.1@800,3342
NetQ10_1: Q10.1 R60.1 R61.1 | length 133.9
  Top Layer w30: Q10.1@1345,3332.5 1395.5,3332.5 R61.1@1405,3342 R60.1@1475,3342
NetQ11_1: Q11.1 R63.1 R64.1 | length 133.9
  Top Layer w30: Q11.1@2020,3332.5 2070.5,3332.5 R64.1@2080,3342 R63.1@2150,3342
NetQ12_1: Q12.1 R66.1 R67.1 | length 133.9
  Top Layer w30: Q12.1@2700,3332.5 2750.5,3332.5 R67.1@2760,3342 R66.1@2830,3342
NetQ13_1: Q13.1 R69.1 R70.1 | length 128.9
  Top Layer w30: Q13.1@3365,3332.5 3410.5,3332.5 R70.1@3420,3342 R69.1@3490,3342
NetQ14_1: Q14.1 R72.1 R73.1 | length 128.9
  Top Layer w30: Q14.1@4040,3332.5 4085.5,3332.5 R73.1@4095,3342 R72.1@4165,3342
NetQ15_1: Q15.1 R75.1 R76.1 | length 133.9
  Top Layer w30: Q15.1@4710,3332.5 4760.5,3332.5 R76.1@4770,3342 R75.1@4840,3342
NetQ16_1: Q16.1 R78.1 R79.1 | length 133.9
  Top Layer w30: Q16.1@5385,3332.5 5435.5,3332.5 R79.1@5445,3342 R78.1@5515,3342
NetR1_1: R1.1 R2.2 TPS5430.4 | length 192.4
  Top Layer w30: TPS5430.4@615,1777.36 615,1835 653,1873 R2.2@653,1890
  Top Layer w35: R2.2@653,1890 R1.1@717,1890
NetR5_2: R5.2 SP485EE.1 | length 109.9
  Top Layer w30: R5.2@4550,1785 4555,1780 SP485EE.1@4657.8,1780
NetR8_1: R8.1 R9.2 | length 60
  Top Layer w30: R9.2@5123,1680 R8.1@5123,1740
NRST: stm32f103zet6.25
PC0: H2.4 stm32f103zet6.26 | length 1178
  Top Layer w10: H2.4@1705,2465 1705,2480 1735,2510 1880,2510 1922,2468 1922,2133.61 1938.25,2117.36 stm32f103zet6.26@2497.09,2117.36
PC1: H2.12 stm32f103zet6.27 | length 1024.2
  Top Layer w10: H2.12@1805,2465 1870,2465 1903,2432 1903,2125.74 1931.75,2096.99 2496.4,2096.99 stm32f103zet6.27@2497.09,2097.68
PC2: H2.5 stm32f103zet6.28 | length 1099.5
  Top Layer w10: H2.5@1705,2365 1750,2410 1850,2410 1884,2376 1884,2117.87 1923.88,2077.99 stm32f103zet6.28@2497.09,2077.99
PC3: H2.13 stm32f103zet6.29 | length 945.1
  Top Layer w10: H2.13@1805,2365 1825,2365 1865,2325 1865,2110 1916.69,2058.31 stm32f103zet6.29@2497.09,2058.31
PE2: H2.2 stm32f103zet6.1 | length 851.1
  Top Layer w10: H2.2@1705,2665 1748.53,2708.53 2336.47,2708.53 2435.51,2609.49 stm32f103zet6.1@2497.09,2609.49
PE3: H2.10 stm32f103zet6.2 | length 723.2
  Top Layer w10: H2.10@1805,2665 2350,2665 2425.2,2589.8 stm32f103zet6.2@2497.09,2589.8
PE4: H2.3 stm32f103zet6.3 | length 831.4
  Top Layer w10: H2.3@1705,2565 1755,2615 2373.13,2615 2418.01,2570.12 stm32f103zet6.3@2497.09,2570.12
PE5: H2.11 stm32f103zet6.4 | length 702.3
  Top Layer w10: H2.11@1805,2565 1810,2570 2385,2570 2404.57,2550.43 stm32f103zet6.4@2497.09,2550.43
RESET: CH9121.59 R22.2 stm32f103zet6.118 | length 1995.5
  Top Layer w10: stm32f103zet6.118@3107.32,2707.91 3107.32,2776.06 3244.26,2913 3861.35,2913 3965,2809.35 v1@3965,2570 ; R22.2@4333,2490 4337.21,2485.79 CH9121.59@4428.62,2485.79 v1@4479.21,2485.79
  Bottom Layer w10: v1@3964,2564 3964,2506 3985,2485 v1(4480,2485)
  other v1: 3965,2565
RSTI: C51.2 CH9121.36 | length 126.1
  Top Layer w10: CH9121.36@4748.58,2766.38 4748.58,2793.58 4810,2855 C51.2@4810,2867
RUN: CH9121.31
RXD2: CH9121.55
RXN: CH9121.5 HR911105A.6 R14.2 | length 2605.4
  Top Layer w10: v1(4560,2255) 4575,2255 4591.1,2271.1 CH9121.5@4591.1,2303.62
  Top Layer w20: HR911105A.6@5288.5,2774.8 5480.2,2774.8 5540,2715 5540,2455 5570,2425 R14.2@5570,2288
  Bottom Layer w10: v1(4560,2255) 4560,2235 4595,2200 5535,2200 5560,2225 5560,2695 5480.2,2774.8 HR911105A.6@5288.5,2774.8
RXP: CH9121.4 HR911105A.3 R15.2 | length 1850.4
  Top Layer w10: CH9121.4@4571.42,2303.62 4571.42,2346.42 v1(4585,2360)
  Top Layer w20: HR911105A.3@5388.5,2624.8 5415.2,2624.8 5438.48,2601.52 5438.48,2351.52 5500,2290 R15.2@5500,2288
  Bottom Layer w10: v1(4585,2360) 4590,2355 4590,2240.24 4606.74,2223.5 5408.5,2223.5 5440,2255 5440,2585 5400.2,2624.8 HR911105A.3@5388.5,2624.8
SPI2_MISO: H1.4 stm32f103zet6.75 | length 507.4
  Top Layer w10: stm32f103zet6.75@3382.91,1959.88 3539.88,1959.88 3770,2190 H1.4@3795,2190
SPI2_MOSI: H1.12 stm32f103zet6.76 | length 640.7
  Top Layer w10: stm32f103zet6.76@3382.91,1979.57 3499.57,1979.57 3760,2240 3815,2240 3865,2190 H1.12@3895,2190
SPI2_NSS: H1.5 stm32f103zet6.73 | length 482.3
  Top Layer w10: stm32f103zet6.73@3382.91,1920.51 3605.51,1920.51 3775,2090 H1.5@3795,2090
SPI2_SCK: H1.13 stm32f103zet6.74 | length 615.6
  Top Layer w10: stm32f103zet6.74@3382.91,1940.2 3575.2,1940.2 3775,2140 3845,2140 H1.13@3895,2090
SWCLK: stm32f103zet6.109 SWD.3 | length 407.2
  Top Layer w10: stm32f103zet6.109@3284.49,2707.91 3284.49,2759.49 3320,2795 3555,2795 3580,2770 SWD.3@3580,2735
SWDIO: stm32f103zet6.105 SWD.2 | length 467.3
  Top Layer w10: stm32f103zet6.105@3382.91,2550.43 3655.43,2550.43 3680,2575 SWD.2@3680,2735
TCPCS: CH9121.30
TXD2: CH9121.56
TXN: CH9121.8 HR911105A.2 R16.2 | length 1408.3
  Top Layer w10: CH9121.8@4650.16,2303.62 4650.16,2340.16 4665,2355 v1(4665,2375)
  Top Layer w20: HR911105A.2@5288.5,2574.8 5288.5,2391.5 5360,2320 R16.2@5360,2288
  Bottom Layer w10: v1(4665,2375) 4655,2365 4655,2310 4700,2265 5260,2265 5288.5,2293.5 HR911105A.2@5288.5,2574.8
TXP: CH9121.7 HR911105A.1 R17.2 | length 1323.8
  Top Layer w10: v1@4630.47,2255.47 CH9121.7@4630.47,2303.62
  Top Layer w20: HR911105A.1@5388.5,2524.8 5388.5,2356.5 5430,2315 R17.2@5430,2288
  Bottom Layer w10: v1(4635,2250) 4640,2245 5365,2245 5388.5,2268.5 HR911105A.1@5388.5,2524.8
VCC: C1.1 H2.6 K1.2 K2.2 K3.2 K4.2 K5.2 K6.2 K7.2 K8.2 K9.2 K10.2 K11.2 K12.2 K13.2 K14.2 K15.2 K16.2 TPS5430.7 电源.2 | length 2254.9
  Top Layer w20: C1.1@510,1605 C1.1@510,1607.5
  Top Layer w30: 700,1475 715,1490 TPS5430.7@715,1562.64
  Top Layer w70: 505,1485 515,1475 700,1475
  Top Layer w80: 505,1485 505,1580
  Top Layer w100: 电源.2@355,1555 385,1585 500,1585 505,1580
  Bottom Layer w60: 150,2470 1485,2470 1690,2265 H2.6@1705,2265
  Bottom Layer w100: 295,1555 电源.2@354.98,1555.98
WIFI_RST: ESP8266.1 R24.2 stm32f103zet6.42 | length 3562.5
  Top Layer w10: ESP8266.1@85,2155 75,2145 75,1930 100,1905 v1(460,1905) ; v1(1500,1580) 1521,1559 2674,1559 2693.94,1578.94 stm32f103zet6.42@2693.94,1822.09
  Top Layer w30: ESP8266.1@85,2155 85,2058 R24.2@115,2028
  Bottom Layer w10: v1(460,1905) 1465,1905 1500,1870 v1(1500,1580)
pads on no net: CH9121.0 CH9121.14 CH9121.15 CH9121.16 CH9121.22 CH9121.23 CH9121.24 CH9121.25 CH9121.26 CH9121.27 CH9121.32 CH9121.33 CH9121.34 CH9121.35 CH9121.38 CH9121.39 CH9121.46 CH9121.47 CH9121.49 CH9121.50 CH9121.61 CH9121.62 ESP8266.2 ESP8266.4 ESP8266.5 ESP8266.6 ESP8266.7 ESP8266.11 ESP8266.13 ESP8266.14 HR911105A. HR911105A.7 K1.4 K2.4 K3.4 K4.4 K5.4 K6.4 K7.4 K8.4 K9.4 K10.4 K11.4 K12.4 K13.4 K14.4 K15.4 K16.4 stm32f103zet6.5 stm32f103zet6.6 stm32f103zet6.7 stm32f103zet6.10 stm32f103zet6.11 stm32f103zet6.12 stm32f103zet6.13 stm32f103zet6.14 stm32f103zet6.15 stm32f103zet6.18 stm32f103zet6.19 stm32f103zet6.20 stm32f103zet6.21 stm32f103zet6.22 stm32f103zet6.34 stm32f103zet6.35 stm32f103zet6.40 stm32f103zet6.41 stm32f103zet6.43 stm32f103zet6.44 stm32f103zet6.45 stm32f103zet6.46 stm32f103zet6.47 stm32f103zet6.49 stm32f103zet6.50 stm32f103zet6.63 stm32f103zet6.64 stm32f103zet6.65 stm32f103zet6.66 stm32f103zet6.67 stm32f103zet6.68 stm32f103zet6.77 stm32f103zet6.78 stm32f103zet6.79 stm32f103zet6.80 stm32f103zet6.81 stm32f103zet6.82 stm32f103zet6.85 stm32f103zet6.86 stm32f103zet6.87 stm32f103zet6.88 stm32f103zet6.89 stm32f103zet6.90 stm32f103zet6.91 stm32f103zet6.92 stm32f103zet6.93 stm32f103zet6.96 stm32f103zet6.97 stm32f103zet6.98 stm32f103zet6.99 stm32f103zet6.100 stm32f103zet6.103 stm32f103zet6.104 stm32f103zet6.106 stm32f103zet6.110 stm32f103zet6.114 stm32f103zet6.115 stm32f103zet6.119 stm32f103zet6.132 stm32f103zet6.133 stm32f103zet6.134 stm32f103zet6.135 stm32f103zet6.139 stm32f103zet6.140 stm32f103zet6.141 stm32f103zet6.142 TPS5430.2 TPS5430.3 TPS5430.5
copper on no net:
  other v3: 146,157 5752,157 5639,2473 5639,2925 146,4387 5752,4387

## Polygon pours and split planes (outlines as drawn)
GND on Top Layer "Bottom Layer-No Net" (solid, remove dead copper, pour order 48): -337,4687 6160,4687 6167,4694 6247,4614 6247,-354 -317,-354 -364,-401
VCC on Top Layer "VCC_L01_P038" (solid, remove dead copper, pour order 38): 2505,3700 2240,3700 2050,3700 2015,3665 2015,3495 2000,3480 1880,3480 1860,3500 1860,3665 1825,3700 1385,3700 1350,3665 1350,3495 1330,3475 1215,3475 1190,3500 1190,3660 1150,3700 730,3700 690,3660 690,3485 675,3470 510,3470 495,3485 495,3790 555,3850 2505,3850
VCC on Top Layer "VCC_L01_P036" (solid, remove dead copper, pour order 36): 2505,3700 495,3790 555,3850 5355,3850 5415,3790 5415,3490 5400,3475 5250,3475 5230,3495 5230,3675 5205,3700 4730,3700 4700,3670 4700,3495 4685,3480 4580,3480 4565,3495 4565,3670 4535,3700 4075,3700 4045,3670 4045,3500 4030,3485 3915,3485 3900,3500 3900,3670 3870,3700 3395,3700 3365,3670 3365,3500 3350,3485 3225,3485 3210,3500 3210,3670 3180,3700 2730,3700 2695,3665 2695,3510 2665,3480 2565,3480 2540,3505 2540,3665
NetK16_5 on Top Layer "Top Layer-No Net 1" (solid, remove dead copper, pour order 32): 5280,4020 5280,4380 5260,4400 5130,4400 5115,4385 5115,4270 4990,4145 4990,4020 5005,4005 5265,4005
NetK15_5 on Top Layer "Top Layer-No Net 1" (solid, remove dead copper, pour order 30): 4595,4020 4595,4380 4575,4400 4445,4400 4430,4385 4430,4270 4305,4145 4305,4020 4320,4005 4580,4005
NetK14_5 on Top Layer "Top Layer-No Net 1" (solid, remove dead copper, pour order 28): 3940,4020 3940,4380 3920,4400 3790,4400 3775,4385 3775,4270 3650,4145 3650,4020 3665,4005 3925,4005
NetK13_5 on Top Layer "Top Layer-No Net 1" (solid, remove dead copper, pour order 26): 3250,4020 3250,4380 3230,4400 3100,4400 3085,4385 3085,4270 2960,4145 2960,4020 2975,4005 3235,4005
NetK12_5 on Top Layer "Top Layer-No Net 1" (solid, remove dead copper, pour order 24): 2595,4020 2595,4380 2575,4400 2445,4400 2430,4385 2430,4270 2305,4145 2305,4020 2320,4005 2580,4005
NetK11_5 on Top Layer "Top Layer-No Net 1" (solid, remove dead copper, pour order 22): 1915,4020 1915,4380 1895,4400 1765,4400 1750,4385 1750,4270 1625,4145 1625,4020 1640,4005 1900,4005
NetK10_5 on Top Layer "Top Layer-No Net 1" (solid, remove dead copper, pour order 20): 1250,4020 1250,4380 1230,4400 1100,4400 1085,4385 1085,4270 960,4145 960,4020 975,4005 1235,4005
NetK9_5 on Top Layer "Top Layer-No Net 1" (solid, remove dead copper, pour order 18): 575,4020 575,4380 555,4400 425,4400 410,4385 410,4270 285,4145 285,4020 300,4005 560,4005
NetK1_5 on Top Layer "Top Layer-No Net 1" (solid, remove dead copper, pour order 16): 5330,505 5330,145 5350,125 5480,125 5495,140 5495,255 5620,380 5620,505 5605,520 5345,520
NetK2_5 on Top Layer "Top Layer-No Net 1" (solid, remove dead copper, pour order 14): 4650,505 4650,145 4670,125 4800,125 4815,140 4815,255 4940,380 4940,505 4925,520 4665,520
NetK3_5 on Top Layer "Top Layer-No Net 1" (solid, remove dead copper, pour order 12): 3985,505 3985,145 4005,125 4135,125 4150,140 4150,255 4275,380 4275,505 4260,520 4000,520
NetK4_5 on Top Layer "Top Layer-No Net 1" (solid, remove dead copper, pour order 10): 3310,505 3310,145 3330,125 3460,125 3475,140 3475,255 3600,380 3600,505 3585,520 3325,520
NetK5_5 on Top Layer "Top Layer-No Net 1" (solid, remove dead copper, pour order 8): 2640,505 2640,145 2660,125 2790,125 2805,140 2805,255 2930,380 2930,505 2915,520 2655,520
NetK6_5 on Top Layer "Top Layer-No Net 1" (solid, remove dead copper, pour order 6): 1965,505 1965,145 1985,125 2115,125 2130,140 2130,255 2255,380 2255,505 2240,520 1980,520
NetK7_5 on Top Layer "Top Layer-No Net 1" (solid, remove dead copper, pour order 4): 1295,505 1295,145 1315,125 1445,125 1460,140 1460,255 1585,380 1585,505 1570,520 1310,520
NetK8_5 on Top Layer "Top Layer-No Net 1" (solid, remove dead copper, pour order 2): 625,505 625,145 645,125 775,125 790,140 790,255 915,380 915,505 900,520 640,520
VCC on Top Layer "Top Layer-No Net" (solid, remove dead copper, pour order 0): 5245,1035 5370,1035 5370,610 5345,585 160,585 85,660 85,1615 110,1640 430,1640 430,1495 400,1495 260,1355 260,860 340,780 485,780 535,830 535,1025 555,1045 655,1045 675,1025 675,825 720,780 1190,780 1210,800 1210,1040 1220,1050 1320,1050 1335,1035 1335,825 1375,785 1840,785 1890,835 1890,1025 1910,1045 1990,1045 2010,1025 2010,815 2040,785 2560,785 2560,1030 2575,1045 2665,1045 2680,1030 2675,1025 2675,815 2710,780 3170,780 3220,830 3220,1025 3240,1045 3350,1045 3370,1025 3370,810 3400,780 3865,780 3900,815 3900,1025 3925,1050 4010,1050 4025,1035 4025,815 4060,780 4540,780 4580,820 4580,1030 4600,1050 4680,1050 4695,1035 4695,800 4710,785 5155,785 5230,860 5230,1020
GND on Bottom Layer "Bottom Layer-No Net" (solid, remove dead copper, pour order 50): -304,4721 -257,4768 6173,4768 6173,-368 6140,-401 6100,-361 -324,-361
VCC on Bottom Layer "Bottom Layer-No Net" (solid, remove dead copper, pour order 34): 420,1500 420,1635 275,1635 215,1695 215,3295 275,3355 640,3355 670,3385 670,3595 650,3615 520,3615 495,3590 495,3485 150,3485 65,3400 65,1525 75,1515 125,1465 390,1465

## Keep-outs
Keep-Out Layer:
  lines w10: 5905.07,4468 ccw(c5845.51,4468) 5845.51,4527.56 60,4527.56 ccw(c60,4467.56) 0,4467.56 0,60 ccw(c60,60) 60,0 5845.51,0 ccw(c5845.51,60) 5905.51,60 5905.51,4468